# Allegro board 8880F5-0823_1_redwan.brd (continued)
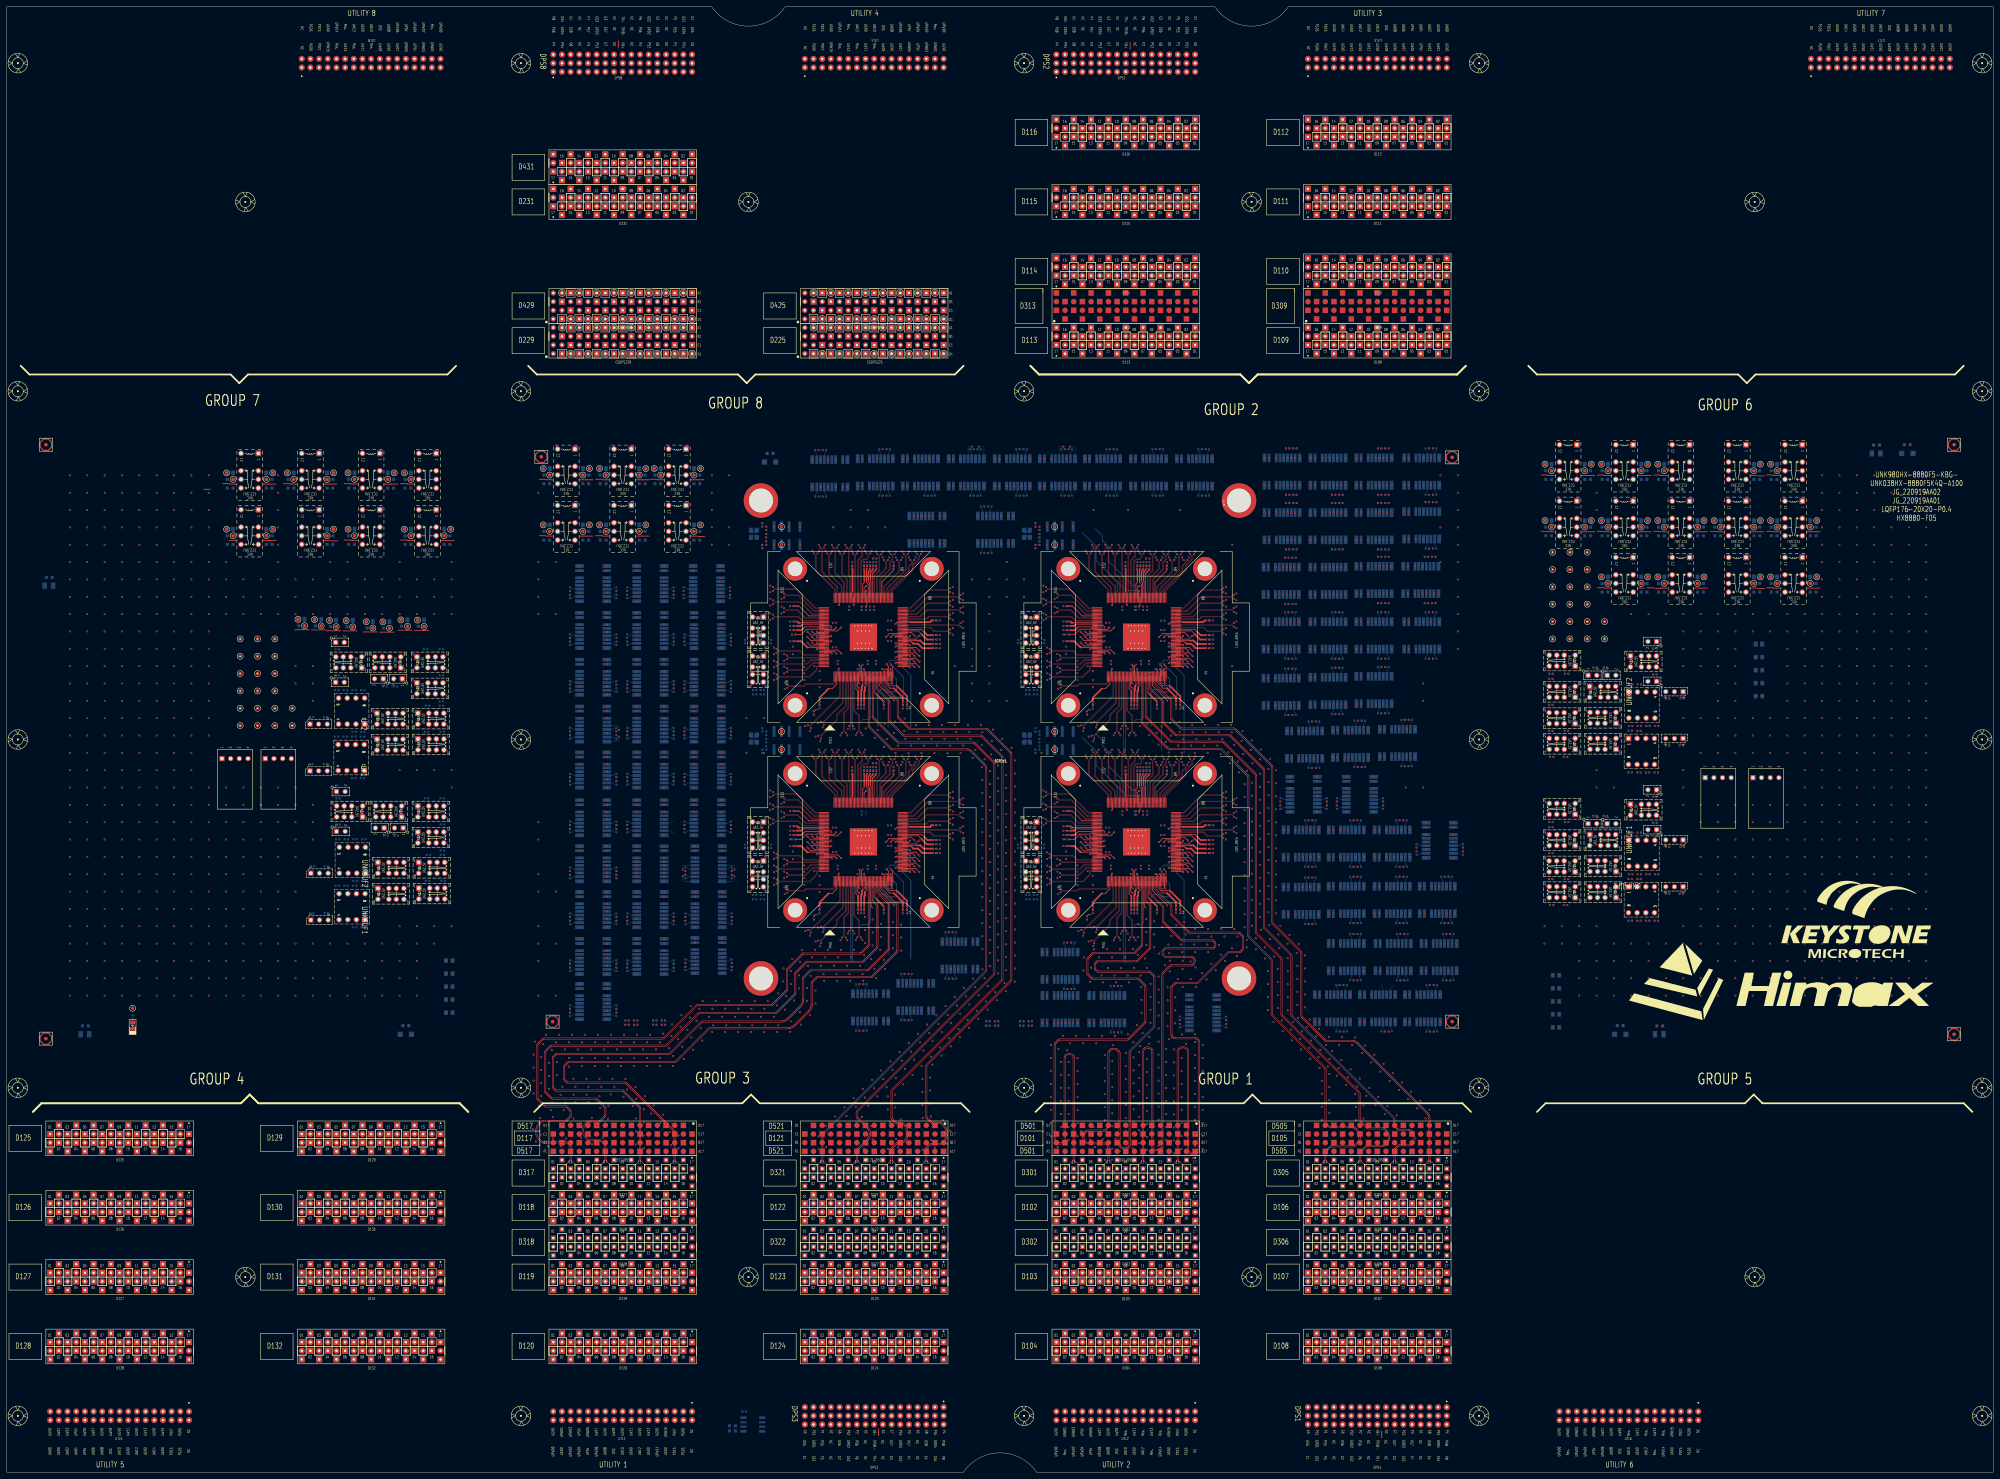
[diagram p0: board, top side]
## Placement (name value [footprint] x y rotation side) (continued)
NOREF#697  -  []  465.45 276.41 90 top
NOREF#698  -  []  337.09 163.52 90 top
NOREF#699  -  []  251.94 265.86 90 top
NOREF#700  -  []  330.73 205.56 90 top
NOREF#701  -  []  184.47 258.7 90 top
NOREF#702  -  []  518.38 257.36 90 top
NOREF#703  -  []  272.25 185.5 0 top
NOREF#704  -  []  373.87 188.15 0 top
NOREF#705  -  []  166.06 135.19 90 top
NOREF#706  -  []  344.37 128.27 0 top
NOREF#707  -  []  411.09 146.88 90 top
NOREF#708  -  []  192.57 187.82 90 top
NOREF#709  -  []  471.21 211.76 90 top
NOREF#710  -  []  328.33 247.93 0 top
NOREF#711  -  []  216.96 240.71 0 top
NOREF#712  -  []  127.95 222.33 0 top
NOREF#713  -  []  396.55 257.37 0 top
NOREF#714  -  []  278.6 147.38 0 top
NOREF#715  -  []  397.3 209.36 0 top
NOREF#716  -  []  327.57 265.86 90 top
NOREF#717  -  []  230.83 164.63 0 top
NOREF#718  -  []  380.53 217.11 0 top
NOREF#719  -  []  240.83 254.63 0 top
NOREF#720  -  []  201.21 290.01 90 top
NOREF#721  -  []  119.99 214.79 0 top
NOREF#722  -  []  260.83 234.63 90 top
NOREF#723  -  []  292.74 296.86 0 top
NOREF#724  -  []  485.36 289.48 90 top
NOREF#725  -  []  318.45 257.01 0 top
NOREF#726  -  []  271.04 181.69 0 top
NOREF#727  -  []  419.47 289.12 90 top
NOREF#728  -  []  396.55 241.11 0 top
NOREF#729  -  []  369.38 257.11 0 top
NOREF#730  -  []  388.43 180.15 0 top
NOREF#731  -  []  237.83 257.63 0 top
NOREF#732  -  []  184.89 227.17 90 top
NOREF#733  -  []  112.41 222.33 0 top
NOREF#734  -  []  167.7 233.47 90 top
NOREF#735  -  []  209.23 243.88 90 top
NOREF#736  -  []  461.86 225.6 90 top
NOREF#737  -  []  237.98 163.82 90 top
NOREF#738  -  []  351.04 185.5 0 top
NOREF#739  -  []  381.74 232.85 0 top
NOREF#740  -  []  318.3 224.74 90 top
NOREF#741  -  []  273.59 272.15 90 top
NOREF#742  -  []  371.73 297.12 0 top
NOREF#743  -  []  230.41 187.61 90 top
NOREF#744  -  []  411.52 146.33 90 top
NOREF#745  -  []  410.52 289.12 0 top
NOREF#746  -  []  256.77 225.04 90 top
NOREF#747  -  []  175.7 182.06 90 top
NOREF#748  -  []  331.06 223.82 90 top
NOREF#749  -  []  259.97 204.35 90 top
NOREF#750  -  []  395.2 265.37 0 top
NOREF#751  -  []  192.47 168.6 90 top
NOREF#752  -  []  343.95 224.74 90 top
NOREF#753  -  []  182.82 257.62 90 top
NOREF#754  -  []  271.34 189.5 0 top
NOREF#755  -  []  403.99 188.15 0 top
NOREF#756  -  []  459.28 236.14 90 top
NOREF#757  -  []  385.19 257.11 0 top
NOREF#758  -  []  472.86 166.93 90 top
NOREF#759  -  []  377.32 171.39 0 top
NOREF#760  -  []  199.33 257.62 90 top
NOREF#761  -  []  229.51 186.66 0 top
NOREF#762  -  []  352.93 288.86 90 top
NOREF#763  -  []  192.57 228.97 90 top
NOREF#764  -  []  495.08 257.36 90 top
NOREF#765  -  []  471.21 168.33 90 top
NOREF#766  -  []  415.1 163.64 0 top
NOREF#767  -  []  298.24 288.86 0 top
NOREF#768  -  []  199.59 189.04 90 top
NOREF#769  -  []  175.7 202.99 90 top
NOREF#770  -  []  386.46 131.89 0 top
NOREF#771  -  []  118.33 271.33 90 top
NOREF#772  -  []  397.38 180.15 90 top
NOREF#773  -  []  352.25 244.23 0 top
NOREF#774  -  []  495.08 259.9 90 top
NOREF#775  -  []  231.15 219.63 90 top
NOREF#776  -  []  343.63 223.82 90 top
NOREF#777  -  []  167.7 227.72 90 top
NOREF#778  -  []  410.84 163.64 90 top
NOREF#779  -  []  451.68 186.77 0 top
NOREF#780  -  []  251.62 205.56 90 top
NOREF#781  -  []  374.08 195.9 90 top
NOREF#782  -  []  230.73 183.41 0 top
NOREF#783  -  []  192.47 164.3 90 top
NOREF#784  -  []  281.47 296.86 0 top
NOREF#785  -  []  201.66 240.88 90 top
NOREF#786  -  []  410.27 257.37 0 top
NOREF#787  -  []  369.63 289.12 0 top
NOREF#788  -  []  419.47 241.11 90 top
NOREF#789  -  []  199.59 145.03 0 top
NOREF#790  -  []  192.47 232.37 90 top
NOREF#791  -  []  332.61 296.86 0 top
NOREF#792  -  []  351.34 241.37 0 top
NOREF#793  -  []  209.49 148.63 90 top
NOREF#794  -  []  518.38 290.38 90 top
NOREF#795  -  []  22.16 130.26 90 top
NOREF#796  -  []  310.43 247.61 0 top
NOREF#797  -  []  353.35 288.31 90 top
NOREF#798  -  []  383.01 139.89 0 top
NOREF#799  -  []  303.56 233.86 90 top
NOREF#800  -  []  127.7 231.22 0 top
NOREF#801  -  []  167.7 241.43 0 top
NOREF#802  -  []  249.28 163.82 90 top
NOREF#803  -  []  461.96 217.98 0 top
NOREF#804  -  []  272.25 182.96 0 top
NOREF#805  -  []  175.7 191.22 90 top
NOREF#806  -  []  386.53 148.15 90 top
NOREF#807  -  []  296.96 192.14 0 top
NOREF#808  -  []  380.59 222.95 0 top
NOREF#809  -  []  420.88 129.99 90 top
NOREF#810  -  []  247.25 264.35 90 top
NOREF#811  -  []  405.93 272.66 90 top
NOREF#812  -  []  192.47 148.38 90 top
NOREF#813  -  []  336.45 164.72 0 top
NOREF#814  -  []  230.43 246.34 90 top
NOREF#815  -  []  242.23 233.13 0 top
NOREF#816  -  []  410.78 131.89 0 top
NOREF#817  -  []  201.23 242.78 90 top
NOREF#818  -  []  259.65 264.65 90 top
NOREF#819  -  []  201.49 165.4 90 top
NOREF#820  -  []  390.69 224.85 0 top
NOREF#821  -  []  381.2 274.38 90 top
NOREF#822  -  []  417.2 171.64 0 top
NOREF#823  -  []  250.73 205.56 90 top
NOREF#824  -  []  396.55 225.11 0 top
NOREF#825  -  []  247.25 205.55 0 top
NOREF#826  -  []  167.7 204.09 90 top
NOREF#827  -  []  461.96 174.55 0 top
NOREF#828  -  []  182.82 243.9 90 top
NOREF#829  -  []  401.52 210.88 90 top
NOREF#830  -  []  247.57 265.86 90 top
NOREF#831  -  []  254.29 265.56 0 top
NOREF#832  -  []  167.7 200.54 90 top
NOREF#833  -  []  413.51 207.71 90 top
NOREF#834  -  []  450.03 225.6 0 top
NOREF#835  -  []  321.82 167.13 90 top
NOREF#836  -  []  308.91 152.34 0 top
NOREF#837  -  []  387.08 154.88 0 top
NOREF#838  -  []  272.55 182.64 0 top
NOREF#839  -  []  167.7 165.4 90 top
NOREF#840  -  []  468.01 171.53 0 top
NOREF#841  -  []  199.84 175.58 90 top
NOREF#842  -  []  369.38 241.11 0 top
NOREF#843  -  []  199.59 171.96 90 top
NOREF#844  -  []  386.53 181.42 90 top
NOREF#845  -  []  167.7 159.65 0 top
NOREF#846  -  []  165.8 144.78 0 top
NOREF#847  -  []  309.21 247.61 0 top
NOREF#848  -  []  256.77 165.04 90 top
NOREF#849  -  []  346.27 129.42 0 top
NOREF#850  -  []  309.51 243.41 0 top
NOREF#851  -  []  184.47 219.75 90 top
NOREF#852  -  []  388.43 146.88 0 top
NOREF#853  -  []  167.7 217.55 90 top
NOREF#854  -  []  379.52 171.39 0 top
NOREF#855  -  []  277.17 288.86 0 top
NOREF#856  -  []  473.7 219.66 90 top
NOREF#857  -  []  287.91 280.1 0 top
NOREF#858  -  []  471.21 175.95 0 top
NOREF#859  -  []  249.85 164.72 0 top
NOREF#860  -  []  298.49 288.91 90 top
NOREF#861  -  []  101.29 247.16 90 top
NOREF#862  -  []  313.56 131.64 90 top
NOREF#863  -  []  175.8 201.79 90 top
NOREF#864  -  []  343.98 288.86 0 top
NOREF#865  -  []  300.11 273.24 90 top
NOREF#866  -  []  339.33 264.35 90 top
NOREF#867  -  []  324.9 288.91 90 top
NOREF#868  -  []  352.25 244.86 90 top
NOREF#869  -  []  184.47 241.43 90 top
NOREF#870  -  []  414.82 297.12 0 top
NOREF#871  -  []  373.32 164.66 90 top
NOREF#872  -  []  230.43 193.37 90 top
NOREF#873  -  []  270.04 280.1 0 top
NOREF#874  -  []  217.41 213.24 0 top
NOREF#875  -  []  192.47 189.02 90 top
NOREF#876  -  []  301.56 242.89 0 top
NOREF#877  -  []  252.51 265.56 90 top
NOREF#878  -  []  396.55 241.11 0 top
NOREF#879  -  []  103.93 235.64 0 top
NOREF#880  -  []  327.25 204.35 90 top
NOREF#881  -  []  216.96 252.14 0 top
NOREF#882  -  []  322.23 173.13 90 top
NOREF#883  -  []  254.29 205.56 90 top
NOREF#884  -  []  239.33 183.63 90 top
NOREF#885  -  []  175.7 168.6 90 top
NOREF#886  -  []  272.55 242.64 0 top
NOREF#887  -  []  272.66 288.86 90 top
NOREF#888  -  []  310.73 249.2 0 top
NOREF#889  -  []  286.55 288.41 90 top
NOREF#890  -  []  184.47 159.65 90 top
NOREF#891  -  []  124.39 214.79 0 top
NOREF#892  -  []  253.53 140.14 0 top
NOREF#893  -  []  251.22 193.63 0 top
NOREF#894  -  []  167.7 242.78 90 top
NOREF#895  -  []  392.24 196.98 90 top
NOREF#896  -  []  412.6 161.74 0 top
NOREF#897  -  []  306.27 156.63 90 top
NOREF#898  -  []  384.59 162.94 90 top
NOREF#899  -  []  201.49 151.93 90 top
NOREF#900  -  []  378.58 273.11 90 top
NOREF#901  -  []  385.19 297.12 0 top
NOREF#902  -  []  256.45 164.72 0 top
NOREF#903  -  []  230.73 247.93 0 top
NOREF#904  -  []  167.7 241.43 90 top
NOREF#905  -  []  263.31 224.72 0 top
NOREF#906  -  []  344.62 131.89 90 top
NOREF#907  -  []  310.43 183.09 90 top
NOREF#908  -  []  239.33 236.03 0 top
NOREF#909  -  []  398.65 265.37 0 top
NOREF#910  -  []  309.21 188.88 0 top
NOREF#911  -  []  297.71 276.09 0 top
NOREF#912  -  []  398.53 144.98 90 top
NOREF#913  -  []  473.79 196.21 0 top
NOREF#914  -  []  369.63 273.11 0 top
NOREF#915  -  []  381.2 242.38 90 top
NOREF#916  -  []  330.73 265.55 0 top
NOREF#917  -  []  511.59 273.87 90 top
NOREF#918  -  []  75.98 287.84 90 top
NOREF#919  -  []  453.84 222.5 0 top
NOREF#920  -  []  118.45 239.39 0 top
NOREF#921  -  []  215.96 188.49 0 top
NOREF#922  -  []  296.96 240.71 0 top
NOREF#923  -  []  201.23 217.55 90 top
NOREF#924  -  []  165.8 226.57 0 top
NOREF#925  -  []  75.98 290.38 90 top
NOREF#926  -  []  397.38 146.88 90 top
NOREF#927  -  []  200.98 258.7 90 top
NOREF#928  -  []  352.25 243.59 90 top
NOREF#929  -  []  310.41 187.61 90 top
NOREF#930  -  []  398.65 289.12 0 top
NOREF#931  -  []  116.01 214.71 0 top
NOREF#932  -  []  460.93 210.36 90 top
NOREF#933  -  []  254.29 264.35 90 top
NOREF#934  -  []  419.9 272.92 90 top
NOREF#935  -  []  272.24 244.86 90 top
NOREF#936  -  []  381.2 258.38 90 top
NOREF#937  -  []  103.93 235.64 90 top
NOREF#938  -  []  330.73 264.35 90 top
NOREF#939  -  []  118.45 239.39 0 top
NOREF#940  -  []  290.64 288.86 0 top
NOREF#941  -  []  167.7 192.32 90 top
NOREF#942  -  []  413.71 178.82 0 top
NOREF#943  -  []  247.25 205.56 90 top
NOREF#944  -  []  390.53 154.88 0 top
NOREF#945  -  []  383.09 273.11 0 top
NOREF#946  -  []  167.7 256.5 90 top
NOREF#947  -  []  309.51 193.69 0 top
NOREF#948  -  []  184.89 240.88 90 top
NOREF#949  -  []  473.79 191.06 90 top
NOREF#950  -  []  383.09 273.11 0 top
NOREF#951  -  []  271.04 189.18 0 top
NOREF#952  -  []  127.55 184.33 90 top
NOREF#953  -  []  400.85 265.37 0 top
NOREF#954  -  []  342.36 225.04 90 top
NOREF#955  -  []  396.03 163.64 0 top
NOREF#956  -  []  404.15 257.37 0 top
NOREF#957  -  []  405.5 289.12 90 top
NOREF#958  -  []  381.74 249.11 0 top
NOREF#959  -  []  299.81 273.69 90 top
NOREF#960  -  []  117.26 190.55 90 top
NOREF#961  -  []  221.56 179.06 0 top
NOREF#962  -  []  271.04 242.96 0 top
NOREF#963  -  []  339.33 265.55 0 top
NOREF#964  -  []  379.48 222.7 90 top
NOREF#965  -  []  385.19 232.85 0 top
NOREF#966  -  []  253.4 265.56 90 top
NOREF#967  -  []  475.04 195.66 0 top
NOREF#968  -  []  396.55 289.12 0 top
NOREF#969  -  []  220.36 177.06 0 top
NOREF#970  -  []  351.34 185.18 0 top
NOREF#971  -  []  230.43 243.09 0 top
NOREF#972  -  []  460.93 166.93 90 top
NOREF#973  -  []  263.14 270.2 90 top
NOREF#974  -  []  259.33 265.56 0 top
NOREF#975  -  []  229.51 189.2 0 top
NOREF#976  -  []  310.43 243.09 90 top
NOREF#977  -  []  288.14 286.96 0 top
NOREF#978  -  []  392.24 193.43 90 top
NOREF#979  -  []  400.34 194.68 90 top
NOREF#980  -  []  184.47 233.47 90 top
NOREF#981  -  []  272.25 241.69 0 top
NOREF#982  -  []  376.23 209.11 0 top
NOREF#983  -  []  211.11 160.4 90 top
NOREF#984  -  []  300.01 288.41 90 top
NOREF#985  -  []  312.21 144.34 0 top
NOREF#986  -  []  337.9 246.99 0 top
NOREF#987  -  []  286.12 288.86 90 top
NOREF#988  -  []  411.26 209.66 90 top
NOREF#989  -  []  182.57 171.96 90 top
NOREF#990  -  []  412.62 273.37 0 top
NOREF#991  -  []  166.06 162.12 90 top
NOREF#992  -  []  127.59 211.59 90 top
NOREF#993  -  []  217.71 216.09 0 top
NOREF#994  -  []  396.28 163.69 90 top
NOREF#995  -  []  230.73 253.69 0 top
NOREF#996  -  []  127.95 195.15 0 top
NOREF#997  -  []  283.91 273.37 90 top
NOREF#998  -  []  397.57 131.89 0 top
NOREF#999  -  []  411.99 161.74 90 top
NOREF#1000  -  []  260.6 286.96 90 top
NOREF#1001  -  []  394.05 271.21 0 top
NOREF#1002  -  []  320.42 139.64 0 top
NOREF#1003  -  []  385.32 178.25 90 top
NOREF#1004  -  []  463.11 230.2 0 top
NOREF#1005  -  []  201.23 200.54 90 top
NOREF#1006  -  []  155.57 289.11 90 top
NOREF#1007  -  []  222.67 298 90 top
NOREF#1008  -  []  175.7 232.37 90 top
NOREF#1009  -  []  177.33 228.47 90 top
NOREF#1010  -  []  282.9 147.38 0 top
NOREF#1011  -  []  404.4 257.42 90 top
NOREF#1012  -  []  419.9 240.56 90 top
NOREF#1013  -  []  473.79 196.21 0 top
NOREF#1014  -  []  165.8 254 90 top
NOREF#1015  -  []  175.7 162.1 90 top
NOREF#1016  -  []  277.17 288.86 0 top
NOREF#1017  -  []  478.57 291.28 90 top
NOREF#1018  -  []  272.25 184.23 0 top
NOREF#1019  -  []  343.95 164.74 90 top
NOREF#1020  -  []  393.31 131.89 90 top
NOREF#1021  -  []  167.7 214 0 top
NOREF#1022  -  []  319.15 288.86 0 top
NOREF#1023  -  []  408.63 290.39 90 top
NOREF#1024  -  []  418.37 289.17 90 top
NOREF#1025  -  []  418.12 257.42 90 top
NOREF#1026  -  []  251.06 223.82 90 top
NOREF#1027  -  []  239.33 176.03 0 top
NOREF#1028  -  []  456.08 230.2 0 top
NOREF#1029  -  []  247.34 133.41 90 top
NOREF#1030  -  []  330.73 205.56 0 top
NOREF#1031  -  []  184.47 256.5 90 top
NOREF#1032  -  []  167.7 132.72 90 top
NOREF#1033  -  []  165.8 212.85 90 top
NOREF#1034  -  []  199.84 162.12 90 top
NOREF#1035  -  []  229.21 183.09 0 top
NOREF#1036  -  []  528.1 273.87 90 top
NOREF#1037  -  []  237.57 269.63 90 top
NOREF#1038  -  []  272.25 244.86 90 top
NOREF#1039  -  []  253.4 205.55 0 top
NOREF#1040  -  []  403.41 209.61 0 top
NOREF#1041  -  []  188.08 291.65 90 top
NOREF#1042  -  []  310.43 246.34 90 top
NOREF#1043  -  []  383.09 257.11 0 top
NOREF#1044  -  []  333.33 241.33 90 top
NOREF#1045  -  []  289.01 272.1 0 top
NOREF#1046  -  []  383.09 257.11 0 top
NOREF#1047  -  []  413.96 182.44 90 top
NOREF#1048  -  []  272.24 241.05 90 top
NOREF#1049  -  []  303.26 139.64 0 top
NOREF#1050  -  []  253.53 140.14 0 top
NOREF#1051  -  []  398.65 225.11 0 top
NOREF#1052  -  []  285.71 280.1 0 top
NOREF#1053  -  []  175.8 187.82 90 top
NOREF#1054  -  []  250.74 224.74 0 top
NOREF#1055  -  []  272.25 189.82 0 top
NOREF#1056  -  []  270.29 135.24 90 top
NOREF#1057  -  []  128.21 178.64 0 top
NOREF#1058  -  []  209.33 187.82 90 top
NOREF#1059  -  []  165.8 144.78 90 top
NOREF#1060  -  []  184.47 206.29 90 top
NOREF#1061  -  []  352.24 181.05 90 top
NOREF#1062  -  []  330.73 265.56 0 top
NOREF#1063  -  []  304.65 271.67 0 top
NOREF#1064  -  []  230.41 243.09 90 top
NOREF#1065  -  []  310.73 247.93 0 top
NOREF#1066  -  []  310.43 193.37 0 top
NOREF#1067  -  []  319.33 183.63 90 top
NOREF#1068  -  []  111.54 290.38 90 top
NOREF#1069  -  []  322.23 173.13 0 top
NOREF#1070  -  []  396.22 139.89 0 top
NOREF#1071  -  []  377.23 224.65 90 top
NOREF#1072  -  []  327.25 205.55 0 top
NOREF#1073  -  []  412.36 209.61 90 top
NOREF#1074  -  []  390.53 171.64 0 top
NOREF#1075  -  []  201.23 206.29 90 top
NOREF#1076  -  []  175.8 147.18 90 top
NOREF#1077  -  []  253.72 264.65 90 top
NOREF#1078  -  []  334.29 205.56 90 top
NOREF#1079  -  []  351.04 249.18 0 top
NOREF#1080  -  []  390.34 192.28 0 top
NOREF#1081  -  []  263.63 163.82 90 top
NOREF#1082  -  []  343.2 232.26 90 top
NOREF#1083  -  []  119.7 231.22 0 top
NOREF#1084  -  []  268.94 272.1 0 top
NOREF#1085  -  []  107.02 171.57 0 top
NOREF#1086  -  []  254.61 265.86 90 top
NOREF#1087  -  []  262.68 163.52 90 top
NOREF#1088  -  []  397.57 131.89 0 top
NOREF#1089  -  []  459.28 183.57 90 top
NOREF#1090  -  []  400.85 281.11 0 top
NOREF#1091  -  []  313.22 288.41 90 top
NOREF#1092  -  []  410.52 241.11 0 top
NOREF#1093  -  []  451.68 230.2 0 top
NOREF#1094  -  []  382.47 133.16 90 top
NOREF#1095  -  []  192.47 264.1 90 top
NOREF#1096  -  []  419.9 288.67 90 top
NOREF#1097  -  []  266.74 272.1 0 top
NOREF#1098  -  []  218.13 214.06 0 top
NOREF#1099  -  []  246.67 288.16 90 top
NOREF#1100  -  []  259.88 288.31 90 top
NOREF#1101  -  []  459.28 183.57 0 top
NOREF#1102  -  []  122.19 247.3 90 top
NOREF#1103  -  []  396.28 180.2 90 top
NOREF#1104  -  []  230.41 193.37 90 top
NOREF#1105  -  []  231.15 159.63 90 top
NOREF#1106  -  []  238.45 257.01 0 top
NOREF#1107  -  []  354.37 130.67 90 top
NOREF#1108  -  []  351.34 189.5 0 top
NOREF#1109  -  []  256.45 224.74 0 top
NOREF#1110  -  []  124.35 195.15 0 top
NOREF#1111  -  []  250.49 223.52 90 top
NOREF#1112  -  []  237.66 224.72 0 top
NOREF#1113  -  []  273.95 155.38 0 top
NOREF#1114  -  []  310.43 188.88 90 top
NOREF#1115  -  []  394.66 226.38 90 top
NOREF#1116  -  []  415.61 179.97 90 top
NOREF#1117  -  []  201.23 204.09 90 top
NOREF#1118  -  []  411.99 178.25 90 top
NOREF#1119  -  []  375.73 194.78 90 top
NOREF#1120  -  []  312.46 131.69 90 top
NOREF#1121  -  []  352.55 185.18 0 top
NOREF#1122  -  []  398.65 297.12 0 top
NOREF#1123  -  []  298.16 188.49 0 top
NOREF#1124  -  []  229.21 186.34 0 top
NOREF#1125  -  []  300.74 286.96 90 top
NOREF#1126  -  []  341.63 195.43 90 top
NOREF#1127  -  []  192.57 174.36 90 top
NOREF#1128  -  []  384.08 209.16 90 top
NOREF#1129  -  []  377.23 273.11 0 top
NOREF#1130  -  []  385.61 208.66 90 top
NOREF#1131  -  []  369.63 289.12 0 top
NOREF#1132  -  []  302.11 192.14 0 top
NOREF#1133  -  []  448.94 290.38 90 top
NOREF#1134  -  []  405.5 273.11 90 top
NOREF#1135  -  []  223.56 245.29 90 top
NOREF#1136  -  []  201.49 165.4 90 top
NOREF#1137  -  []  461.96 210.36 0 top
NOREF#1138  -  []  124.1 231.22 0 top
NOREF#1139  -  []  451.68 239.34 0 top
NOREF#1140  -  []  230.43 188.88 90 top
NOREF#1141  -  []  414.25 154.88 0 top
NOREF#1142  -  []  275.12 271.65 90 top
NOREF#1143  -  []  238.45 197.01 0 top
NOREF#1144  -  []  410.52 289.12 0 top
NOREF#1145  -  []  312.25 211.67 90 top
NOREF#1146  -  []  451.68 214.96 0 top
NOREF#1147  -  []  106.36 190.55 0 top
NOREF#1148  -  []  511.59 259.9 90 top
NOREF#1149  -  []  374.88 217.11 0 top
NOREF#1150  -  []  413.71 178.82 90 top
NOREF#1151  -  []  106.11 234.24 0 top
NOREF#1152  -  []  339.89 288.31 90 top
NOREF#1153  -  []  399.39 178.25 0 top
NOREF#1154  -  []  467.51 230.2 0 top
NOREF#1155  -  []  93.76 287.84 90 top
NOREF#1156  -  []  392.47 272.66 90 top
NOREF#1157  -  []  11.6 261.68 90 top
NOREF#1158  -  []  209.59 160.9 90 top
NOREF#1159  -  []  299.81 213.69 90 top
NOREF#1160  -  []  478.57 274.77 90 top
NOREF#1161  -  []  256.73 132.14 0 top
NOREF#1162  -  []  201.23 227.72 90 top
NOREF#1163  -  []  166.06 243.9 90 top
NOREF#1164  -  []  200.98 255.15 0 top
NOREF#1165  -  []  105.83 190.55 90 top
NOREF#1166  -  []  272.25 183.59 90 top
NOREF#1167  -  []  168.69 290.01 90 top
NOREF#1168  -  []  391.8 209.36 0 top
NOREF#1169  -  []  116.27 178.64 0 top
NOREF#1170  -  []  389.7 209.36 0 top
NOREF#1171  -  []  331.94 204.65 90 top
NOREF#1172  -  []  271.04 182.96 0 top
NOREF#1173  -  []  342.04 164.74 0 top
NOREF#1174  -  []  352.24 249.18 90 top
NOREF#1175  -  []  380.59 255.21 0 top
NOREF#1176  -  []  398.65 233.11 0 top
NOREF#1177  -  []  118.7 182.93 90 top
NOREF#1178  -  []  194.09 187.32 90 top
NOREF#1179  -  []  368.03 249.11 0 top
NOREF#1180  -  []  295.96 237.06 0 top
NOREF#1181  -  []  254.61 204.65 90 top
NOREF#1182  -  []  330.49 163.52 90 top
NOREF#1183  -  []  252.51 205.55 0 top
NOREF#1184  -  []  98.78 195.15 0 top
NOREF#1185  -  []  461.86 182.17 90 top
NOREF#1186  -  []  210.86 214.75 90 top
NOREF#1187  -  []  399.07 208.91 90 top
NOREF#1188  -  []  119.95 187.53 0 top
NOREF#1189  -  []  465.31 230.2 0 top
NOREF#1190  -  []  304.61 131.64 0 top
NOREF#1191  -  []  405.93 224.66 90 top
NOREF#1192  -  []  262.04 224.74 0 top
NOREF#1193  -  []  199.59 230.19 90 top
NOREF#1194  -  []  107.02 179.19 0 top
NOREF#1195  -  []  463.61 214.96 0 top
NOREF#1196  -  []  184.89 199.99 90 top
NOREF#1197  -  []  167.7 147.28 90 top
NOREF#1198  -  []  461.96 217.98 0 top
NOREF#1199  -  []  192.57 242.68 90 top
NOREF#1200  -  []  382.82 180.15 0 top
NOREF#1201  -  []  256.77 223.82 90 top
NOREF#1202  -  []  184.89 159.1 90 top
NOREF#1203  -  []  332.83 205.86 90 top
NOREF#1204  -  []  511.59 257.36 90 top
NOREF#1205  -  []  260.55 136.46 90 top
NOREF#1206  -  []  252.6 288.86 0 top
NOREF#1207  -  []  309.21 186.34 0 top
NOREF#1208  -  []  383.09 289.12 0 top
NOREF#1209  -  []  302.49 296.86 0 top
NOREF#1210  -  []  346.69 128.87 90 top
NOREF#1211  -  []  400.24 202.38 90 top
NOREF#1212  -  []  230.43 193.37 0 top
NOREF#1213  -  []  241.6 296.61 0 top
NOREF#1214  -  []  406.65 271.21 90 top
NOREF#1215  -  []  394.66 274.38 90 top
NOREF#1216  -  []  229.51 187.93 0 top
NOREF#1217  -  []  261.63 195.43 90 top
NOREF#1218  -  []  192.47 218.65 90 top
NOREF#1219  -  []  96.33 238.84 0 top
NOREF#1220  -  []  343.63 165.04 90 top
NOREF#1221  -  []  272.25 181.05 90 top
NOREF#1222  -  []  449.99 174.46 0 top
NOREF#1223  -  []  271.04 245.5 0 top
NOREF#1224  -  []  230.43 254.01 0 top
NOREF#1225  -  []  177.33 255.9 90 top
NOREF#1226  -  []  283.25 147.43 90 top
NOREF#1227  -  []  352.25 189.18 90 top
NOREF#1228  -  []  391.96 131.89 0 top
NOREF#1229  -  []  472.86 217.98 90 top
NOREF#1230  -  []  339.33 265.56 90 top
NOREF#1231  -  []  184.47 227.72 90 top
NOREF#1232  -  []  167.7 149.48 90 top
NOREF#1233  -  []  328.33 187.93 0 top
NOREF#1234  -  []  327.25 205.56 90 top
NOREF#1235  -  []  336.77 223.82 90 top
NOREF#1236  -  []  208.98 257.6 90 top
NOREF#1237  -  []  409.17 249.11 0 top
NOREF#1238  -  []  104.18 191.95 0 top
NOREF#1239  -  []  331.62 205.55 0 top
NOREF#1240  -  []  253.72 265.86 90 top
NOREF#1241  -  []  239.4 296.61 0 top
NOREF#1242  -  []  263.85 273.37 90 top
NOREF#1243  -  []  451.68 195.91 0 top
NOREF#1244  -  []  463.61 171.53 0 top
NOREF#1245  -  []  465.81 179.15 0 top
NOREF#1246  -  []  331.62 265.55 0 top
NOREF#1247  -  []  376.23 209.11 0 top
NOREF#1248  -  []  327.25 265.55 0 top
NOREF#1249  -  []  253.4 265.55 0 top
NOREF#1250  -  []  306.83 209.63 90 top
NOREF#1251  -  []  311.69 288.91 90 top
NOREF#1252  -  []  375.22 163.39 0 top
NOREF#1253  -  []  101.82 290.38 90 top
NOREF#1254  -  []  346.08 288.86 0 top
NOREF#1255  -  []  219.81 273.69 90 top
NOREF#1256  -  []  107.76 238.84 0 top
NOREF#1257  -  []  263.71 288.86 0 top
NOREF#1258  -  []  401.89 163.64 0 top
NOREF#1259  -  []  392.73 154.88 0 top
NOREF#1260  -  []  127.3 235.64 90 top
NOREF#1261  -  []  237.57 209.63 90 top
NOREF#1262  -  []  175.7 137.37 90 top
NOREF#1263  -  []  165.8 199.39 90 top
NOREF#1264  -  []  107.02 174.04 90 top
NOREF#1265  -  []  209.23 222.95 90 top
NOREF#1266  -  []  273.09 288.41 90 top
NOREF#1267  -  []  167.7 173.11 0 top
NOREF#1268  -  []  461.86 187.32 0 top
NOREF#1269  -  []  378.58 289.12 90 top
NOREF#1270  -  []  310.73 253.69 0 top
NOREF#1271  -  []  412.79 209.06 90 top
NOREF#1272  -  []  230.43 188.88 90 top
NOREF#1273  -  []  234.33 168.13 90 top
NOREF#1274  -  []  270.04 280.1 0 top
NOREF#1275  -  []  368.03 232.6 0 top
NOREF#1276  -  []  271.31 288.86 0 top
NOREF#1277  -  []  341.48 286.96 0 top
NOREF#1278  -  []  229.21 247.61 0 top
NOREF#1279  -  []  329.85 164.74 0 top
NOREF#1280  -  []  333.4 205.55 0 top
NOREF#1281  -  []  392.47 288.57 90 top
NOREF#1282  -  []  184.47 187.92 90 top
NOREF#1283  -  []  201.23 190.12 90 top
NOREF#1284  -  []  422.95 163.69 90 top
NOREF#1285  -  []  352.55 243.91 0 top
NOREF#1286  -  []  175.7 209.49 90 top
NOREF#1287  -  []  337.09 224.74 90 top
NOREF#1288  -  []  400.85 233.11 0 top
NOREF#1289  -  []  108.27 178.64 0 top
NOREF#1290  -  []  199.59 203.01 90 top
NOREF#1291  -  []  209.23 232.37 90 top
NOREF#1292  -  []  182.82 203.01 90 top
NOREF#1293  -  []  184.47 233.47 90 top
NOREF#1294  -  []  300.36 237.06 0 top
NOREF#1295  -  []  462.06 291.28 90 top
NOREF#1296  -  []  352.25 185.5 0 top
NOREF#1297  -  []  184.47 147.28 90 top
NOREF#1298  -  []  313.22 288.31 90 top
NOREF#1299  -  []  100.98 195.15 0 top
NOREF#1300  -  []  272.25 184.86 90 top
NOREF#1301  -  []  406.65 223.21 90 top
NOREF#1302  -  []  184.47 255.15 90 top
NOREF#1303  -  []  263.31 164.74 0 top
NOREF#1304  -  []  477.24 195.66 0 top
NOREF#1305  -  []  201.23 215.35 90 top
NOREF#1306  -  []  192.47 154.88 90 top
NOREF#1307  -  []  419.9 240.66 90 top
NOREF#1308  -  []  253.4 264.35 90 top
NOREF#1309  -  []  367.73 290.39 90 top
NOREF#1310  -  []  262.36 225.04 90 top
NOREF#1311  -  []  320.83 254.63 0 top
NOREF#1312  -  []  250.74 164.74 0 top
NOREF#1313  -  []  373.93 297.12 0 top
NOREF#1314  -  []  272.8 157.28 0 top
NOREF#1315  -  []  250.17 165.04 90 top
NOREF#1316  -  []  199.59 216.47 90 top
NOREF#1317  -  []  201.49 178.86 90 top
NOREF#1318  -  []  175.8 242.68 90 top
NOREF#1319  -  []  226.27 216.63 90 top
NOREF#1320  -  []  412.88 131.89 0 top
NOREF#1321  -  []  401.89 163.64 0 top
NOREF#1322  -  []  304.61 144.34 0 top
NOREF#1323  -  []  312.79 288.86 90 top
NOREF#1324  -  []  165.8 158.5 90 top
NOREF#1325  -  []  229.05 271.67 0 top
NOREF#1326  -  []  354.27 134.07 90 top
NOREF#1327  -  []  376.98 257.11 0 top
NOREF#1328  -  []  396.03 180.15 0 top
NOREF#1329  -  []  222.11 240.71 0 top
NOREF#1330  -  []  295.96 177.06 0 top
NOREF#1331  -  []  182.57 226.57 90 top
NOREF#1332  -  []  199.33 240.28 90 top
NOREF#1333  -  []  410.78 131.89 0 top
NOREF#1334  -  []  167.7 206.29 90 top
NOREF#1335  -  []  127.95 187.53 0 top
NOREF#1336  -  []  209.49 177.76 90 top
NOREF#1337  -  []  167.7 190.12 90 top